# Altium PCB PCB.PcbDoc
Units mil, origin at the board's own origin, x right, y up, seen from the top; angles counter-clockwise.
Board outline 3370 x 3370 mil, 4 copper layers (Top Layer, Signal Layer 1, Signal Layer 2, Bottom Layer), stack 30.634 mil thick; 98 components, 59 nets, 320 pads, 207 vias.
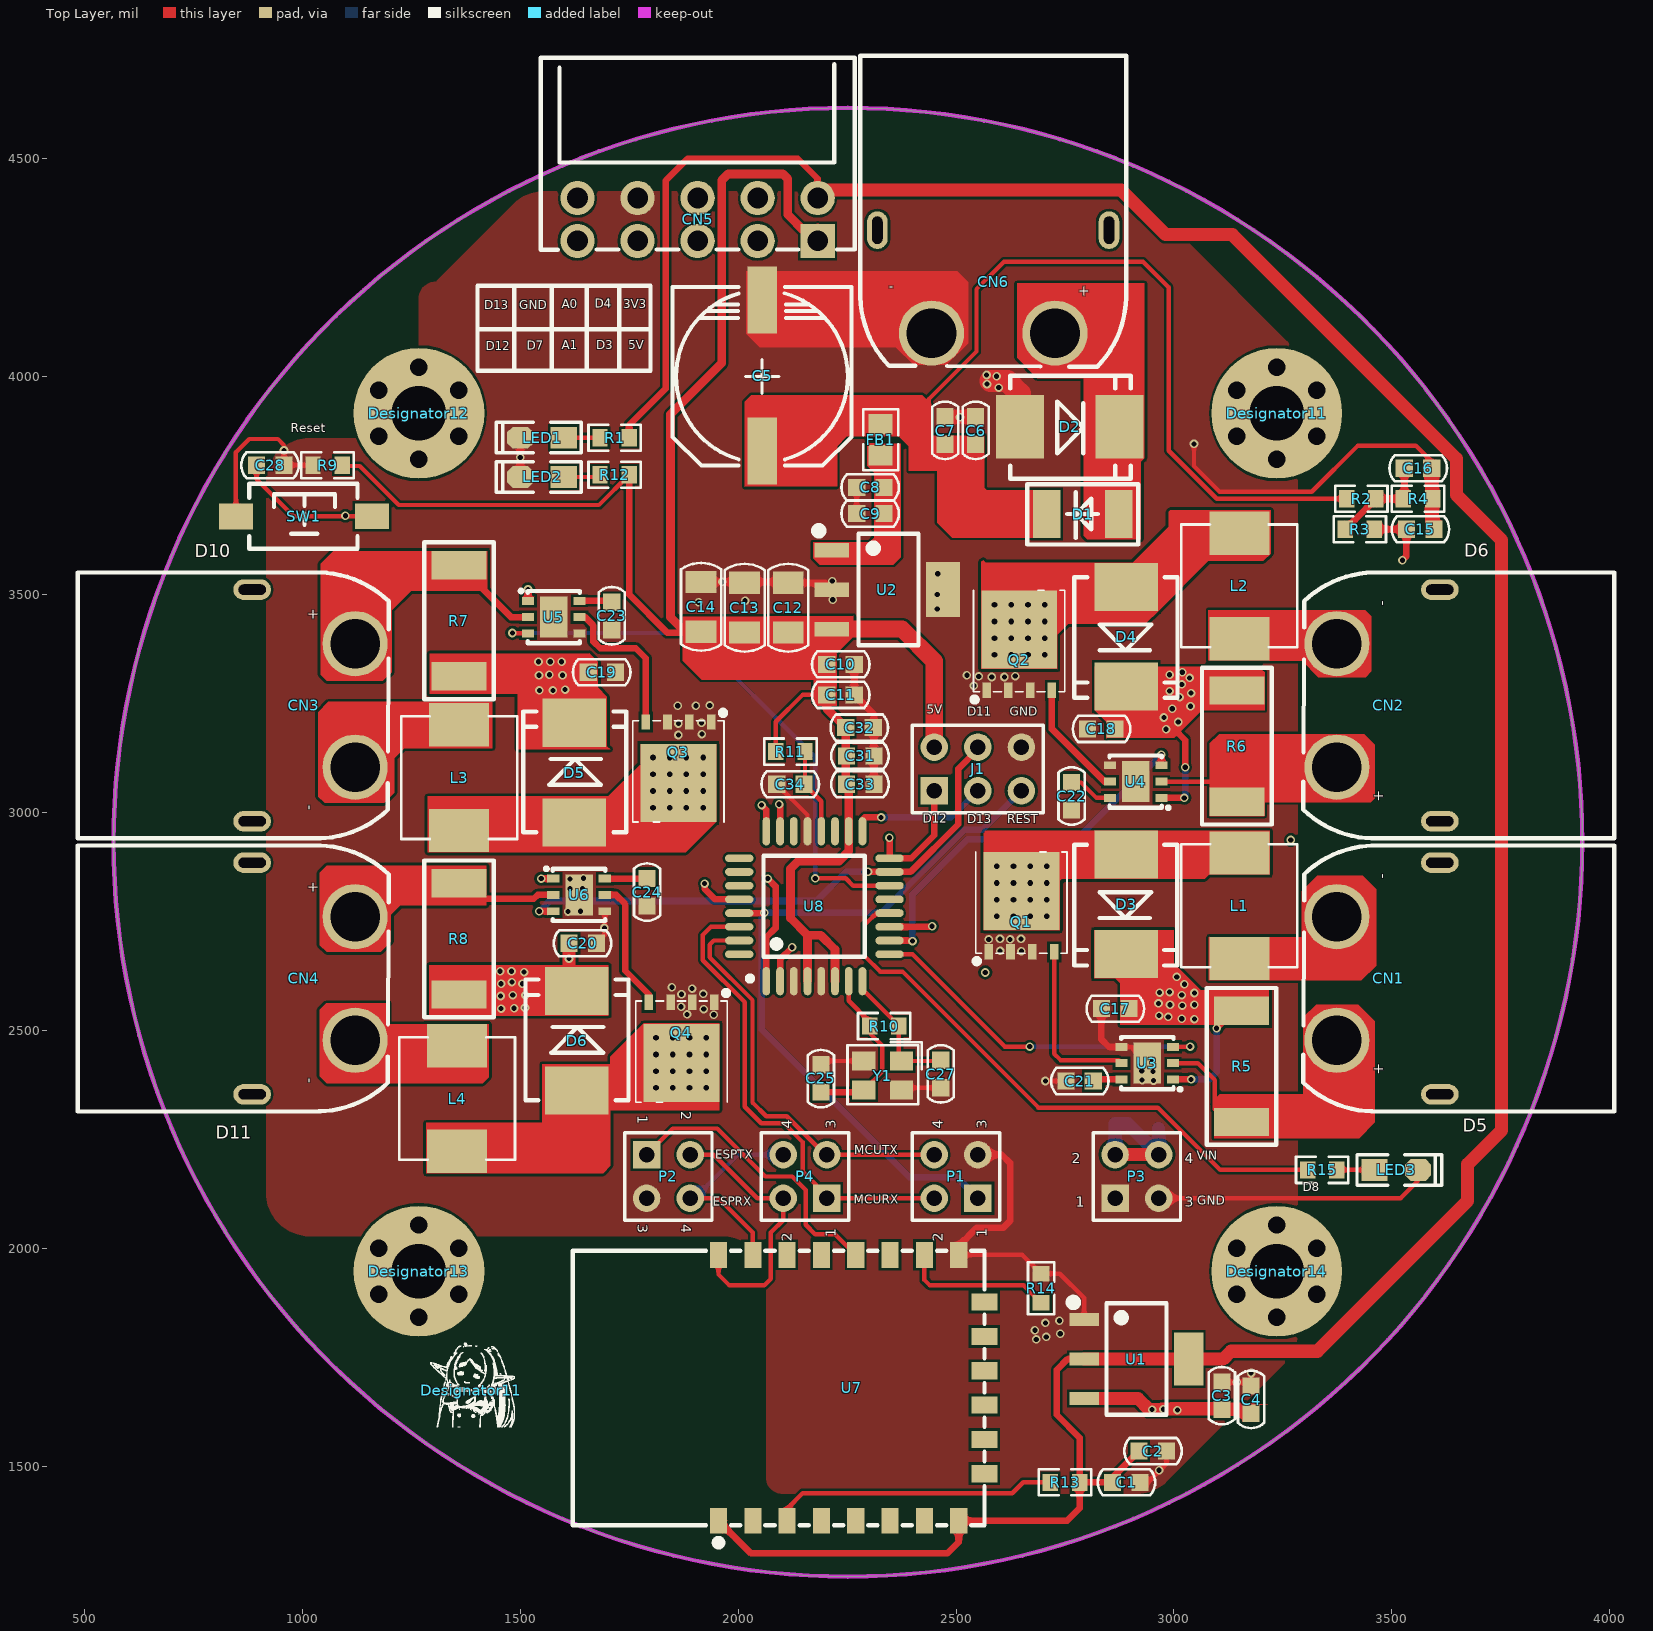
[diagram p0: Top Layer view]
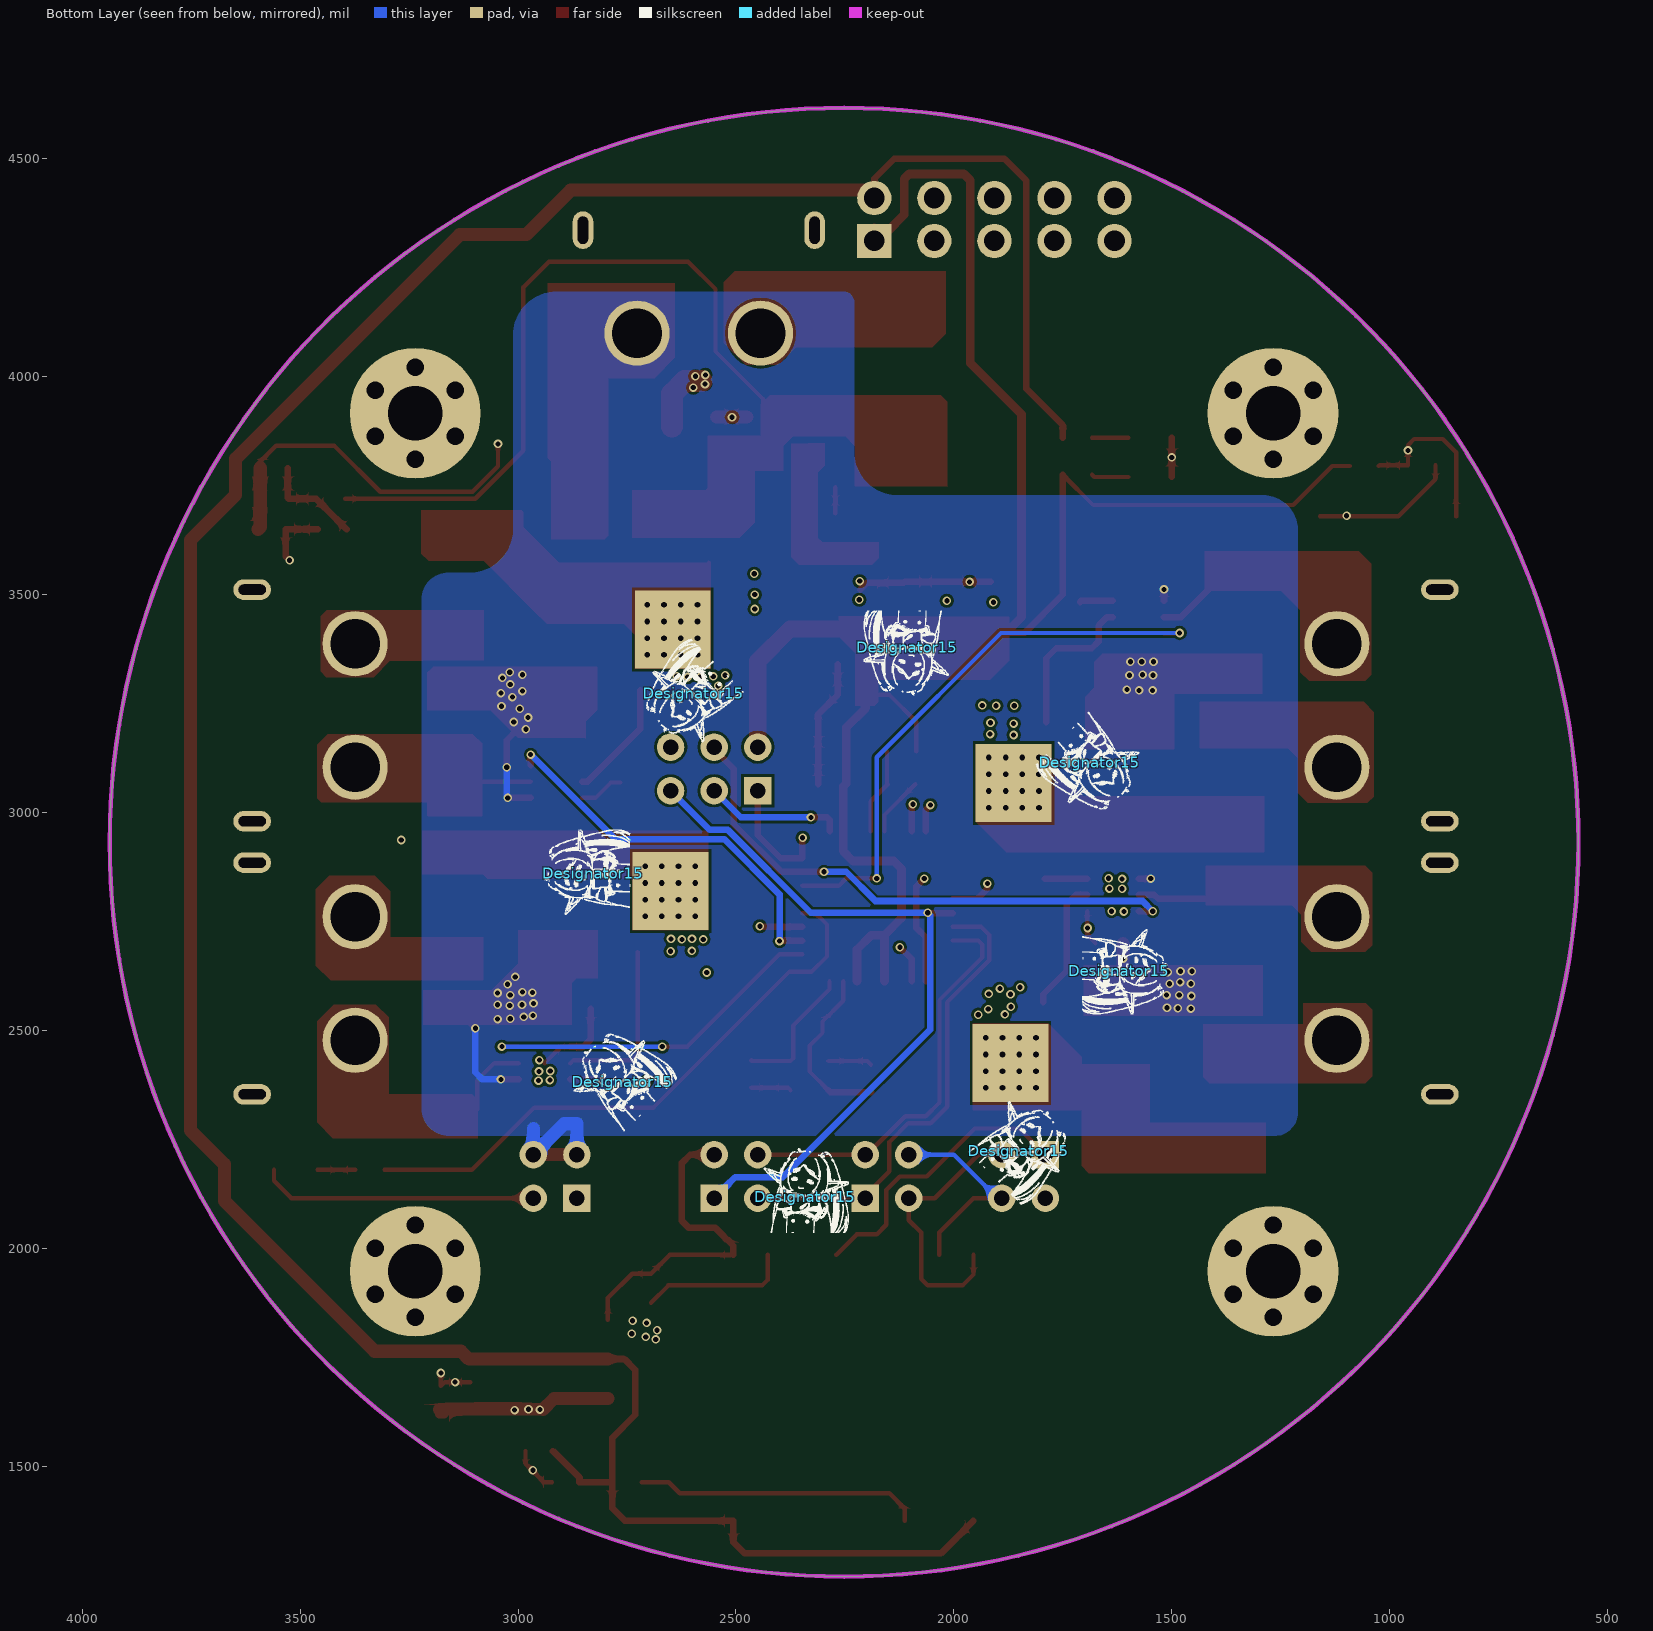
[diagram p1: Bottom Layer view, seen from below]
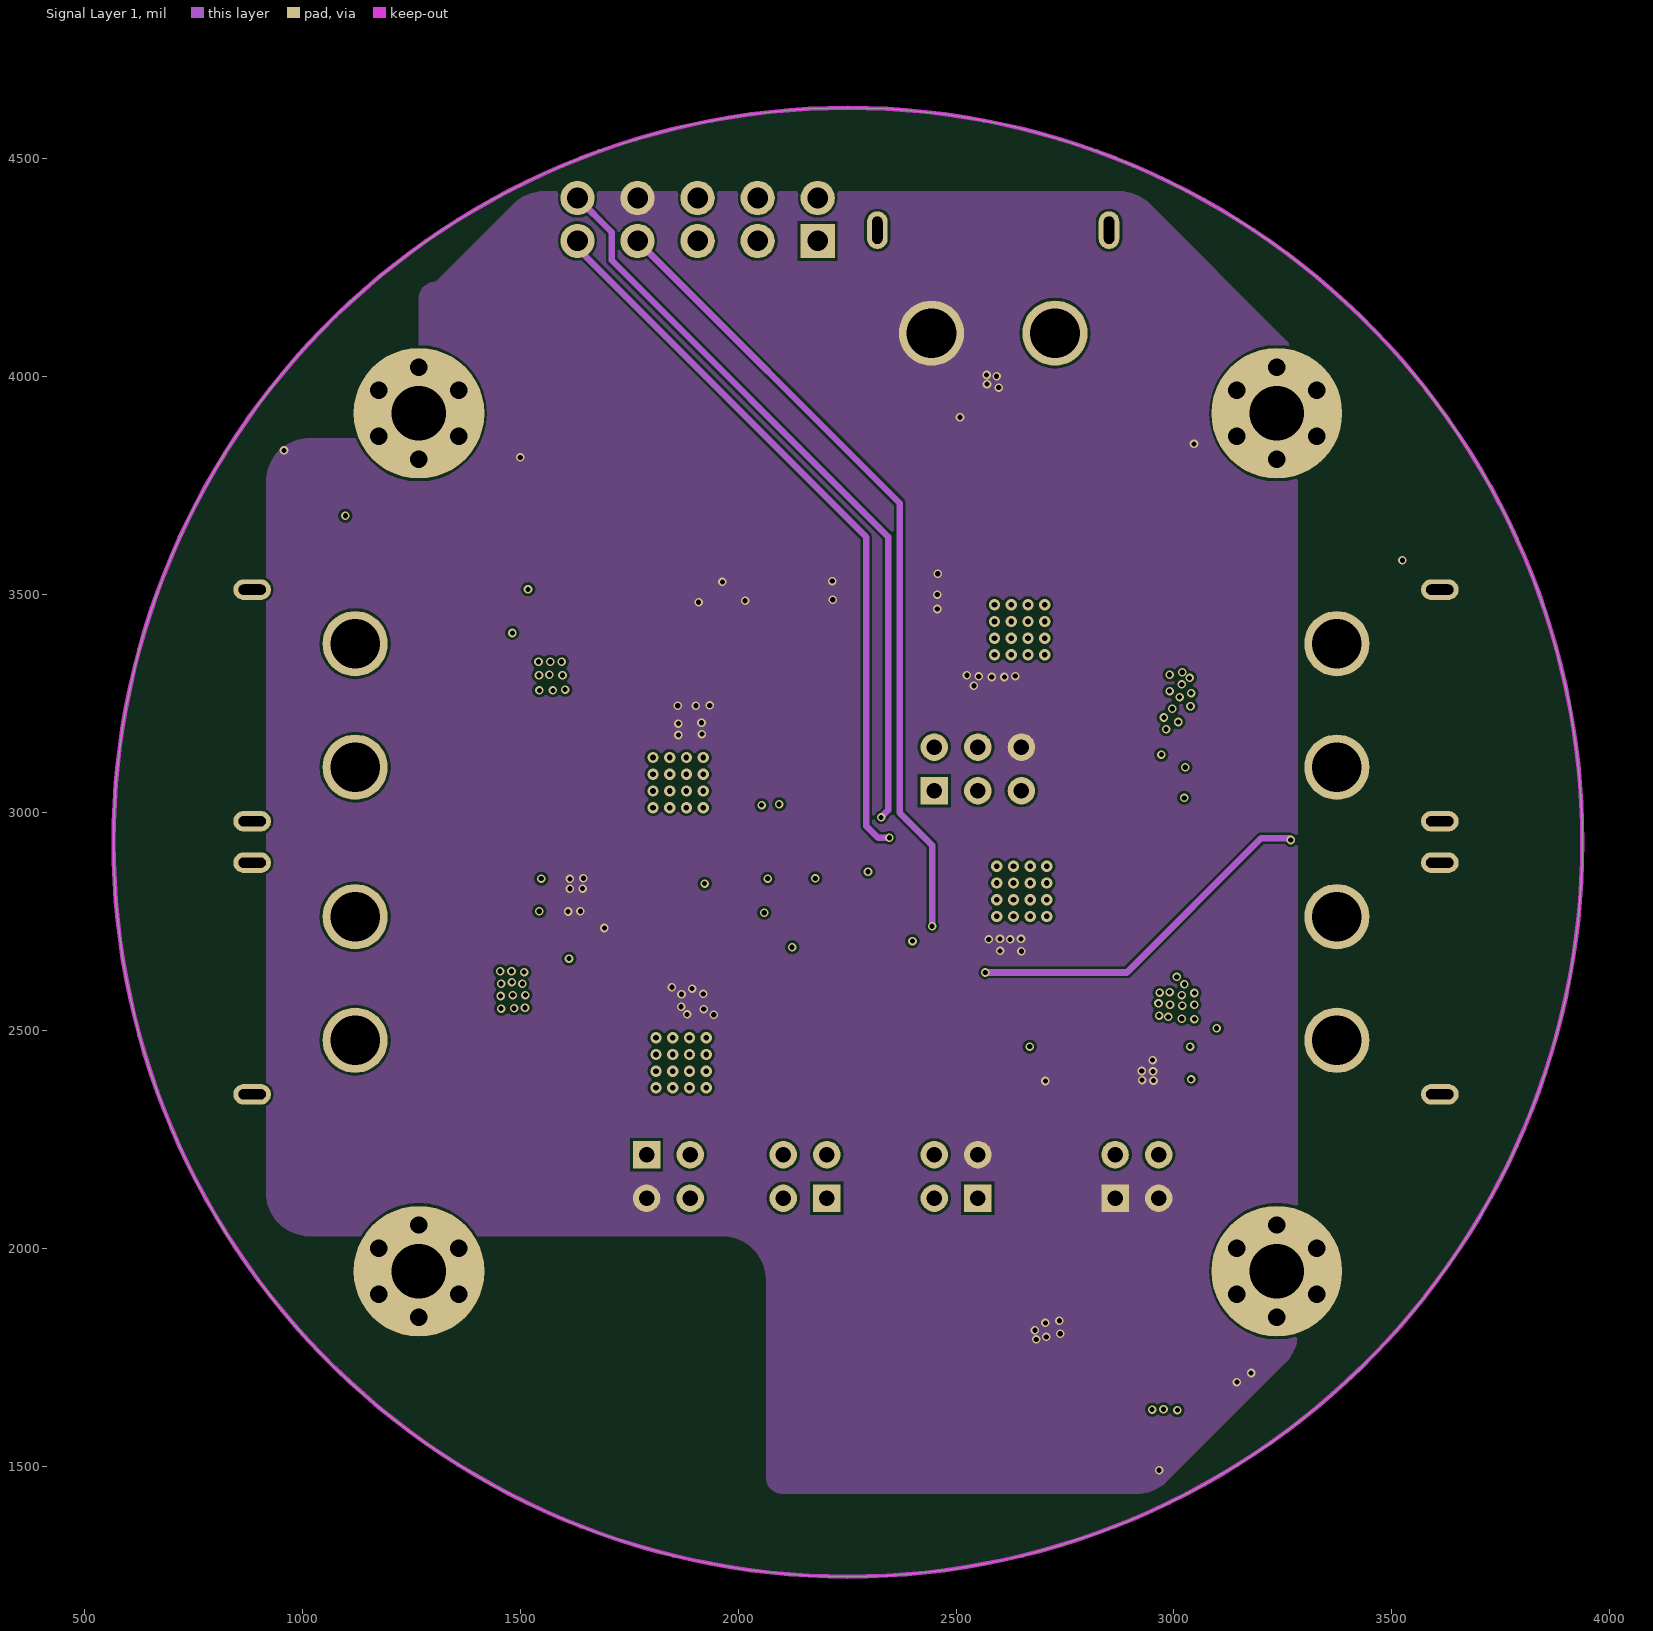
[diagram p2: Signal Layer 1]
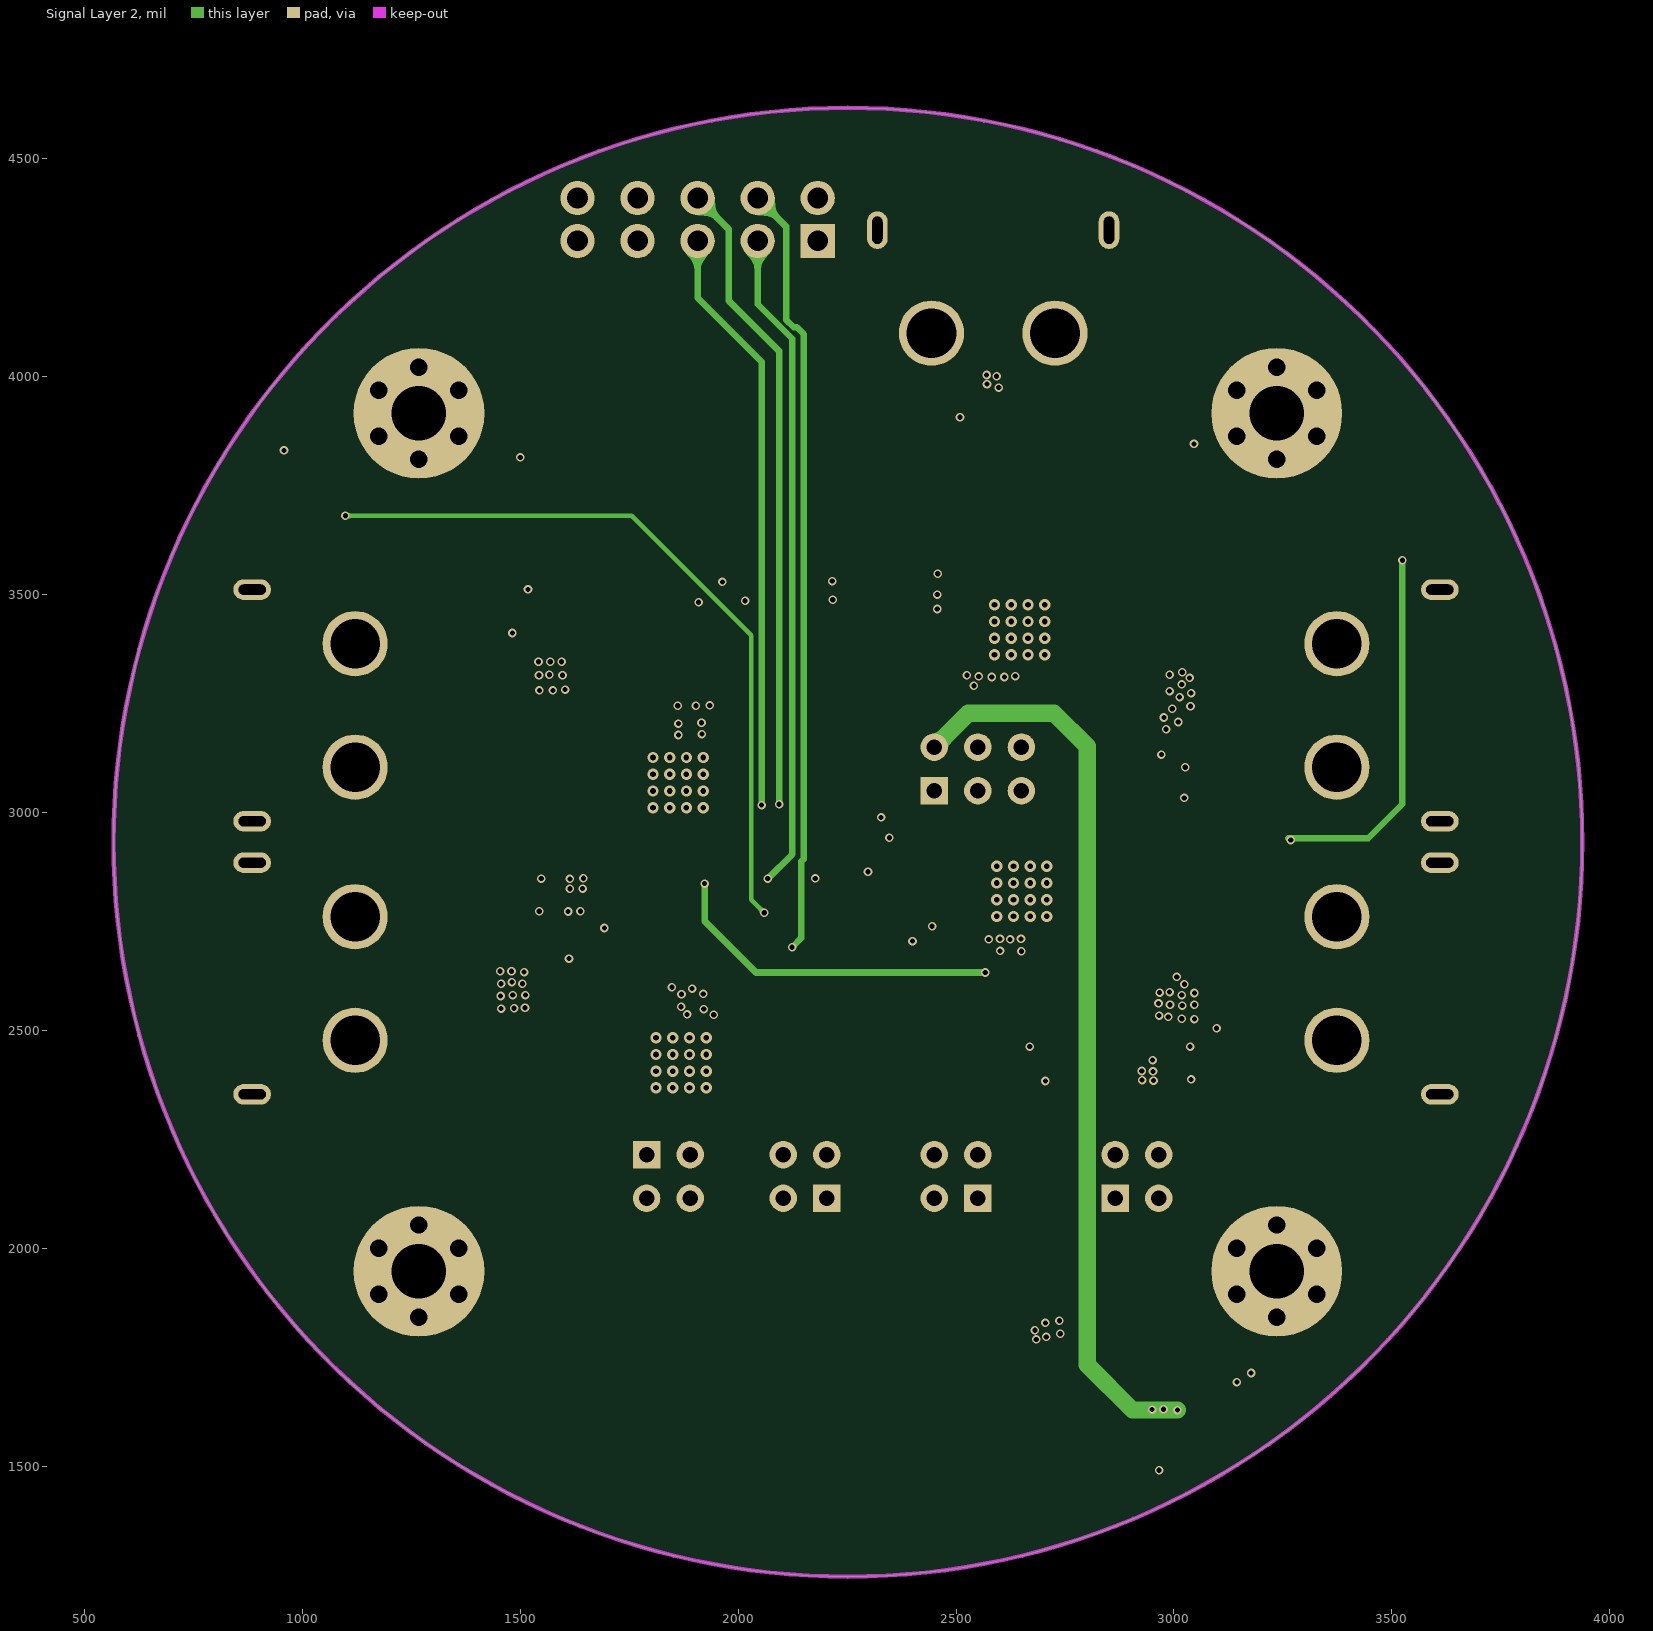
[diagram p3: Signal Layer 2]

## Layer stack, top to bottom
Top Solder: solder mask 0.4, Solder Resist, Dk 3.5
Top Layer: signal copper 1.4
Dielectric 1: core 10, FR-4, Dk 4.2
Signal Layer 1: signal copper 1.417
Dielectric 3: prepreg 5, Dk 4.2
Signal Layer 2: signal copper 1.417
Dielectric 2: core 10, Dk 4.2
Bottom Layer: signal copper 1.4
Bottom Solder: solder mask 0.4, Solder Resist, Dk 3.5

## Board outline
2251.89,1246.89 cw(c2251.89,2931.89) 566.89,2931.89 cw(c2251.89,2931.89) 2251.89,4616.89 cw(c2251.89,2931.89) 3936.89,2931.89 cw(c2251.89,2931.89)

## Design rules (kind name [scope] priority, off if disabled: settings)
Clearance [All] p1: gap=6 ignorepadtopadclearanceinfootprint=TRUE
ComponentClearance [All] p1: gap=0 collisioncheckmode=3 verticalgap=0 showdistances=FALSE
HoleSize [All] p1: absolutevalues=TRUE maxlimit=500 minlimit=1 maxpercent=80.000 minpercent=20.000
HoleToHoleClearance [All] p1: gap=0 allowstackedmicrovias=TRUE
MinimumSolderMaskSliver [All] p1: minsoldermaskwidth=0
PlaneClearance [All] p1: clearance=10
PlaneConnect [All] p1: planeconnectstyle=Direct reliefexpansion=20 reliefentries=4 reliefconductorwidth=10 reliefairgap=10
PolygonConnect [All] p1: connectstyle=Direct reliefconductorwidth=10 reliefentries=4 polygonreliefangle="90 Angle" airgapwidth=10
RoutingVias [All] p1: holewidth=100 width=100 viastyle="Through Hole" minholewidth=2 minwidth=2 maxholewidth=200 maxwidth=200
SilkToSilkClearance [All] p1: silktosilkclearance=0
SilkToSolderMaskClearance [IsPad] p1: minsilkscreentomaskgap=0 clearancetoexposedcopper=TRUE
SolderMaskExpansion [All] p1: expansion=4
Width [All] p1: maxlimit=256 minlimit=6 preferedwidth=10
22 further rules are at their usual default settings.

## Classes and differential pairs
component class MCU: C1 C2 C3 C4 C5 C6 C7 C8 C9 C10 C11 C12 C13 C14 C15 C16 C17 C18 C19 C20 C21 C22 C23 C24 C25 C27 C28 C31 C32 C33 C34 CN1 CN2 CN3 CN4 CN5 CN6 D1 D2 D3 D4 D5 D6 FB1 J1 L1 L2 L3 L4 LED1 LED2 LED3 P1 P2 P3 P4 Q1 Q2 Q3 Q4 R1 R2 R3 R4 R5 R6 R7 R8 R9 R10 R11 R12 R13 R14 R15 U1 U2 U3 U4 U5 U6 U7 U8 Y1 ""

## Components (designator, comment, footprint, x,y, rotation, side; value= is the part's Value field where it differs from the comment)
C1 "100nF" C_0603 2890.5,1463.15 r0 top
C2 "100nF" C_0603 2951.5,1535 r0 top
C3 "100nF" C_0603 3110,1661.5 r90 top
C4 "100nF" C_0603 3177,1653 r90 top
C5 "330uF/35V" 9*H11MM 2055,4000 r180 top
C6 "100nF" C_0603 2545,3876.5 r90 top
C7 "100nF" C_0603 2475,3876.5 r90 top
C8 "100nF" C_0603 2303.5,3746 r180 top
C9 "10nF" C_0603 2303.5,3686 r180 top
C10 "100nF" C_0603 2235,3340 r0 top
C11 "10nF" C_0603 2235,3270 r0 top
C12 "10uF" C_1206 2115,3470 r90 top
C13 "10uF" C_1206 2015,3470 r90 top
C14 "10uF" C_1206 1915,3472.09 r90 top
C15 "10nF" C_0603 3565,3650 r0 top
C16 "10nF" C_0603 3560,3790 r0 top
C17 "10uf" C_0603 2865,2550 r0 top
C18 "10uf" C_0603 2833.5,3191.79 r0 top
C19 "10uf" C_0603 1687.5,3322 r180 top
C20 "10uf" C_0603 1643.5,2700 r180 top
C21 "10uf" C_0603 2783.46,2384 r0 top
C22 "10uf" C_0603 2765,3037.5 r90 top
C23 "10uf" C_0603 1710,3451 r90 top
C24 "10uf" C_0603 1791,2817 r90 top
C25 "12pF±5%" C_0603 2190,2390 r270 top
C27 "12pF±5%" C_0603 2465,2400 r90 top
C28 "100nF" C_0603 926.5,3797 r180 top
C31 "100nF" C_0603 2280,3130 r180 top
C32 "100nF" C_0603 2278.5,3195 r180 top
C33 "100nF" C_0603 2280,3065 r180 top
C34 "100nF" C_0603 2120,3065 r180 top
CN1 "XT60PW-M" "CONN-TH_XT60PW-M - duplicate" 3491.89,2619.25 r180 top
CN2 "XT60PW-M" "CONN-TH_XT60PW-M - duplicate" 3491.89,3245.75 r180 top
CN3 "XT60PW-M" "CONN-TH_XT60PW-M - duplicate" 1003.11,3245.75 r0 top
CN4 "XT60PW-M" "CONN-TH_XT60PW-M - duplicate" 1003.11,2619.25 r0 top
CN5 "JL15EDGRHC-35005B02" CONN-TH_5P-P3.50_JILN_JL15EDGRHC-35005B02 1907.01,4360.79 r180 top
CN6 "XT60PW-M" "CONN-TH_XT60PW-M - duplicate" 2585.28,4218.1 r270 top
D1 "M7F" SMA 2815,3680 r270 top
D2 "SMCJ24CA" SMC 2759,3884.5 r180 top
D3 "SS34_C154551" SMC 2889.5,2791 r90 top
D4 "SS34_C154551" SMC 2890,3405 r90 top
D5 "SS34_C154551" SMC 1625,3090 r270 top
D6 "SS34_C154551" SMC 1630,2475 r270 top
Designator11 "Comment" FU芙莉连 1388,1674 r0 top
Designator11 "Comment" "M3 125X300" 3236.14,3916.14 r90 top locked
Designator12 "Comment" "M3 125X300" 1267.64,3916.14 r90 top locked
Designator13 "Comment" "M3 125X300" 1267.64,1947.64 r90 top locked
Designator14 "Comment" "M3 125X300" 3236.14,1947.64 r90 top locked
Designator15 "Comment" FU芙莉连 2341,2119 r180 bottom
Designator15 "Comment" FU芙莉连 2759.99,2382.72 r135 bottom
Designator15 "Comment" FU芙莉连 2827,2861 r90 bottom
Designator15 "Comment" FU芙莉连 2596.65,3273.67 r45 bottom
Designator15 "Comment" FU芙莉连 2107,3379 r0 bottom
Designator15 "Comment" FU芙莉连 1688.01,3115.28 r315 bottom
Designator15 "Comment" FU芙莉连 1621,2637 r270 bottom
Designator15 "Comment" FU芙莉连 1851.35,2224.33 r225 bottom
FB1 "磁珠" R_0805 2327.01,3855.43 r270 top
J1 "HDR-M-2.54_2x3" HDR-3X2 2450,3050 r0 top
L1 "10uH" IND-SMD_L7.0-W6.6_FXL0650 3150,2786.18 r270 top
L2 "10uH" IND-SMD_L7.0-W6.6_FXL0650 3150,3520 r270 top
L3 "10uH" IND-SMD_L7.0-W6.6_FXL0650 1360,3080 r90 top
L4 "10uH" IND-SMD_L7.0-W6.6_FXL0650 1355,2343.82 r90 top
LED1 "红色" "LED 0805G" 1550,3860 r180 top
LED2 "红色" "LED 0805G" 1550,3770 r180 top
LED3 "红色" "LED 0805G" 3510,2180 r0 top
P1 "Header 2X2" HDR-2X2 2550,2115 r90 top
P2 "Header 2X2" HDR-2X2 1790,2215 r270 top
P3 "Header 2X2" HDR-2X2 2865,2115 r0 top
P4 "Header 2X2" HDR-2X2 2203.5,2115 r90 top
Q1 "045N" TDSON-8_L5.9-W5.2-P1.27-BL 2650,2750 r0 top
Q2 "045N" TDSON-8_L5.9-W5.2-P1.27-BL 2645,3350.12 r0 top
Q3 "045N" TDSON-8_L5.9-W5.2-P1.27-BL 1863,3137.88 r180 top
Q4 "045N" TDSON-8_L5.9-W5.2-P1.27-BL 1870,2494.88 r180 top
R1 "1K" R_0603 1716.54,3860 r0 top
R2 "1M" R_0603 3430,3720 r180 top
R3 "4.7K" R_0603 3426.54,3650 r180 top
R4 "150K" R_0603 3560,3720 r180 top
R5 "120mΩ" "R 2512-HP" 3155,2417.56 r270 top
R6 "120mΩ" "R 2512-HP" 3144.34,3152.44 r270 top
R7 "120mΩ" "R 2512-HP" 1359.44,3440 r90 top
R8 "120mΩ" "R 2512-HP" 1359.44,2710 r90 top
R9 "10K" R_0603 1058,3797 r0 top